# Altium PCB Pulse.PcbDoc (continued)
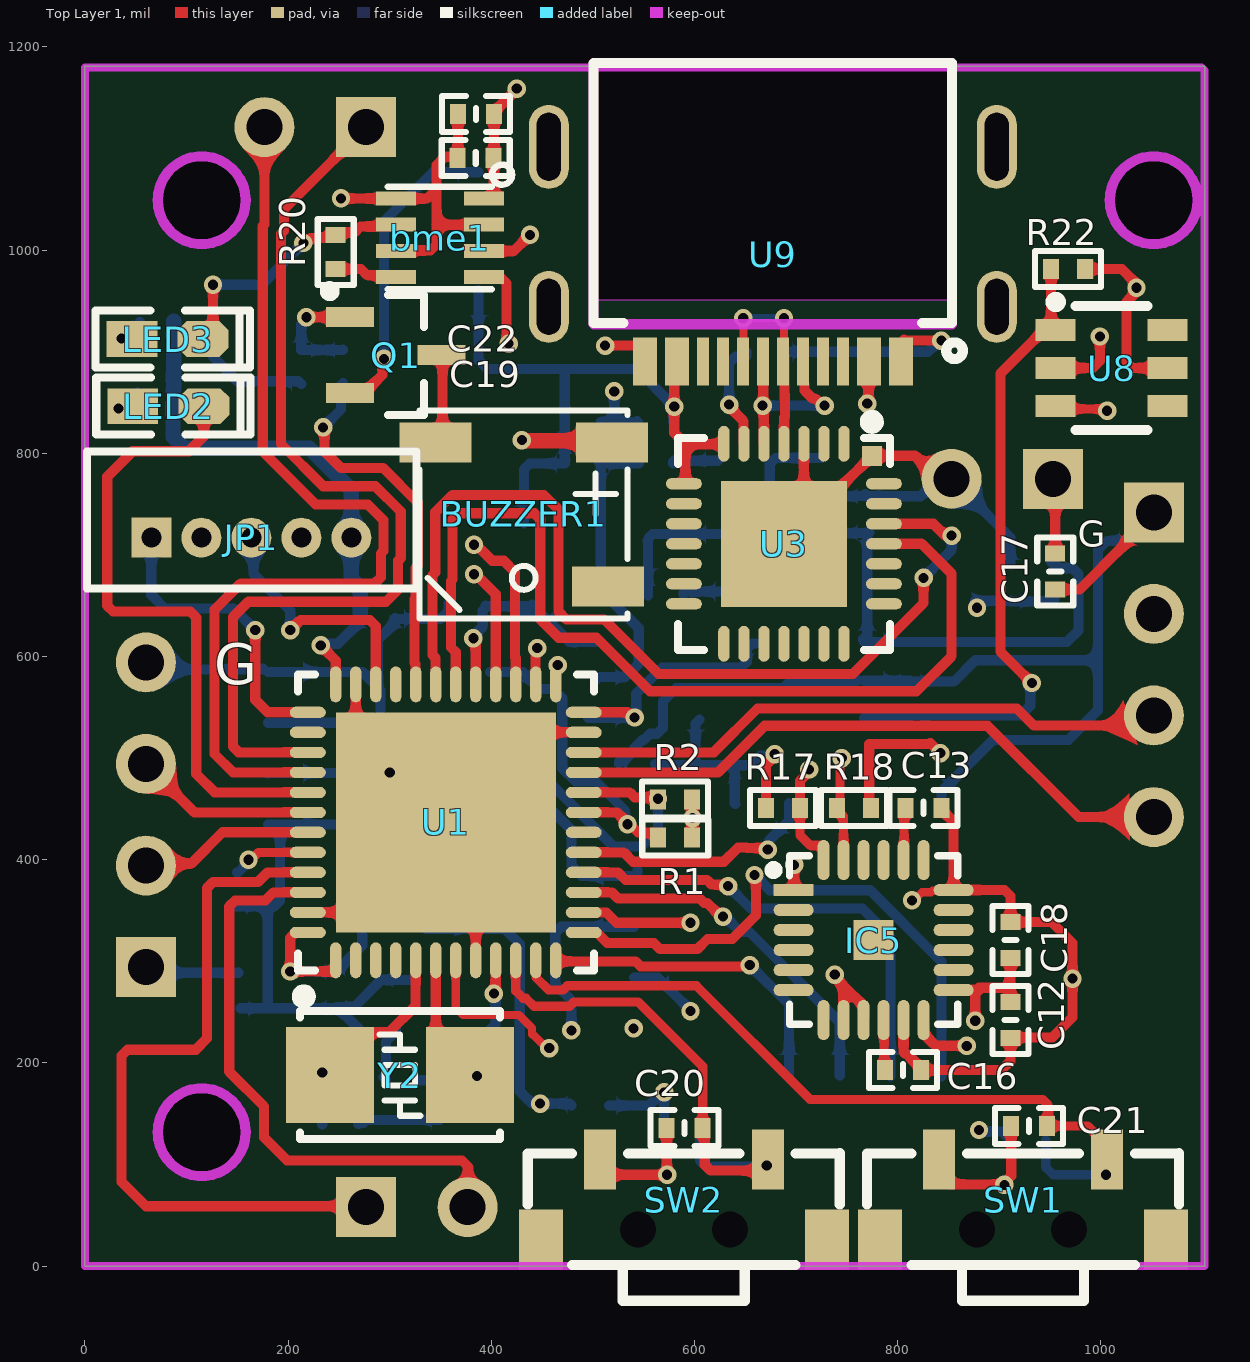
[diagram p0: Top Layer 1 view]
## Footprints (in the part's own frame and the unit in brackets; to place one, negate y for a bottom-side part, rotate by r counter-clockwise, add the part's x,y. Pads: shape width x height; smd on the part's side, far side on the other; paste and mask are expansions set on the pad)
5020BUZZER [mm]
  rect 1x1.8 smd: 1(1.8,-2.25) 2(1.8,2.152) 3(-1.8,-2.151)
  silkscreen extent -2.6,-2.65 2.6,2.55, body extent -2.6,-2.7 2.6,2.5, height 2
AT24C256 [mm]
  oval 0.588x2.045 smd: 1(-1.936,-2.861) 2(-0.666,-2.861) 3(0.604,-2.861) 4(1.874,-2.861) 5(1.874,2.684) 6(0.604,2.684) 7(-0.666,2.684) 8(-1.936,2.684)
  silkscreen extent -2.83,-3.01 2.5,1.43
BAT-2 [mm] "Battery; 2 Leads"
  rect 1.5x1.5 hole 0.9: 1(-1.27,0)
  round 1.5 hole 0.9: 2(1.27,0)
  silkscreen extent -2.54,-1.27 2.54,1.27
bluetooth [mm]
  oval 0.7x1.4 smd: 1(-2.337,3.422) 2(-1.067,3.422) 3(0.203,3.422) 4(1.473,3.422) 5(2.743,3.422) 6(4.013,3.422) 7(4.013,-3.378) 8(2.743,-3.378) 9(1.473,-3.378) 10(0.203,-3.378) 11(-1.067,-3.378) 12(-2.337,-3.378)
  Top Layer 1 pour cut-out: -2.802,2.318 -4.916,2.318 -4.916,-2.677 -2.802,-2.677 -2.802,2.318
  silkscreen extent -4.9,-3.38 4.7,3.42
BME280 [mm]
  rect 1x0.351 smd: 1(2.243,2.301) 2(2.243,1.651) 3(2.243,0.991) 4(2.243,0.341) 5(0.043,0.341) 6(0.043,0.991) 7(0.043,1.651) 8(0.043,2.301)
  silkscreen extent -0.16,0.04 2.95,3.15, body extent -0.15,0.05 2.35,2.55, height 0.93
button [mm]
  rect 1.1x1.5 smd: 0(-3.536,0.504) 0(3.614,0.504)
  round 0 hole 0.9: 0(-1.111,0.254) 0(1.189,0.254)
  rect 0.8x1.5 smd: 1(-2.061,-1.496) 2(2.139,-1.496)
  silkscreen extent -3.86,-1.66 3.94,2.03, body extent -3.86,-1.66 3.94,2.04, height 3.51
"C 0402_L" [mm] "无极性贴片电容         淘宝ID:黄晶宝石"
  rect 0.4x0.5 smd: 1(-0.45,0) 2(0.45,0)
  silkscreen extent -0.85,-0.45 0.85,0.45, body extent -0.5,-0.26 0.5,0.26, height 0.53
CP2102 [mm]
  oval 0.9x0.28 smd: 1(-2.475,1.657) 2(-2.475,1.157) 3(-2.475,0.657) 4(-2.475,0.156) 5(-2.475,-0.344) 6(-2.475,-0.845) 7(-2.475,-1.345) 15(2.525,-1.345) 16(2.525,-0.845) 17(2.525,-0.344) 18(2.525,0.156) 19(2.525,0.657) 20(2.525,1.157) 21(2.525,1.657)
  oval 0.28x0.9 smd: 8(-1.476,-2.344) 9(-0.976,-2.344) 10(-0.475,-2.344) 11(0.025,-2.344) 12(0.525,-2.344) 13(1.026,-2.344) 14(1.526,-2.344) 22(1.526,2.656) 23(1.026,2.656) 24(0.525,2.656) 25(0.025,2.656) 26(-0.475,2.656) 27(-0.976,2.656) 28(-1.476,2.656)
  rect 3.15x3.15 smd: 29(0.025,0.156)
  rect 0.5x0.5 smd: 30(-2.175,2.356)
  silkscreen extent -3.18,-2.49 2.67,2.81
EC190708 [mm]
  rect 0.55x1 smd: 1(-0.923,-1.375) 2(0.027,-1.375) 3(0.977,-1.375) 4(0.977,1.425) 5(0.027,1.425) 6(-0.923,1.425)
  silkscreen extent -1.75,-1.5 1.58,0.93
HDR1X2 [mm] "Connector; Header; 2 Position"
  rect 1.5x1.5 hole 0.9: 1(0,0)
  round 1.5 hole 0.9: 2(2.54,0)
  silkscreen extent -1.27,-1.27 3.81,1.27
HDR1X4 [mm] "Connector; Header; 4 Position"
  rect 1.5x1.5 hole 0.9: 1(0,0)
  round 1.5 hole 0.9: 2(2.54,0) 3(5.08,0) 4(7.62,0)
  silkscreen extent -1.27,-1.27 8.89,1.27
LC-SOD-123 [mm]
  rect 1.25x1 smd: 1(1.475,0) 2(-1.475,0)
  silkscreen extent -0.5,-0.7 0.5,0.7, body extent -1.85,-0.77 1.85,0.78, height 1.35
"LED 0603R" [mil] "红色0603LED                                           淘宝ID:黄晶宝石"
  rect 50x35 smd: 1(-35,0.26)
  oct 50x35 smd: 2(35,0.26)
  silkscreen extent -71,-28 81,28, body extent -31,-16 31,16, height 18
"MX 1.25-LI-5P" [mm] "长：8mm，宽：3.2mm，高：4.2mm               淘宝ID:黄晶宝石"
  rect 1x1 hole 0.5: 1(-2.51,0)
  round 1 hole 0.5: 2(-1.26,0) 3(-0.01,0) 4(1.24,0) 5(2.49,0)
  silkscreen extent -4.11,-1.27 4.11,2.16, body extent -4,-1.15 4,2.05, height 4.25
"OSC 5032-2P" [mm] "5mm*3.2mm*0.8mm(长*宽*高)                  淘宝ID:黄晶宝石"
  rect 2.2x2.4 smd: 1(-1.75,0) 2(1.75,0)
  silkscreen extent -2.5,-1.6 2.5,1.6, body extent -2.5,-1.6 2.5,1.6, height 0.86
"QFN24 4x4_M" [mm] "24脚，长x宽x高：4x4x1mm，脚距：0.5mm"
  rect 0.3x1 smd: 1(-1.25,-2)
  oval 0.3x1 smd: 2(-0.75,-2) 3(-0.25,-2) 4(0.25,-2) 5(0.75,-2) 6(1.25,-2) 13(1.25,2) 14(0.75,2) 15(0.25,2) 16(-0.25,2) 17(-0.75,2) 18(-1.25,2)
  oval 1x0.3 smd: 7(2,-1.25) 8(2,-0.75) 9(2,-0.25) 10(2,0.25) 11(2,0.75) 12(2,1.25) 19(-2,1.25) 20(-2,0.75) 21(-2,0.25) 22(-2,-0.25) 23(-2,-0.75) 24(-2,-1.25)
  rect 1x1 smd: 25(0,0)
  silkscreen extent -2.11,-2.6 2.11,2.11, body extent -2.01,-2.01 2.01,2.01, height 0.95
"R 0402_L" [mm] "1/16W贴片电阻     淘宝ID:黄晶宝石"
  rect 0.4x0.5 smd: 1(-0.4,0) 2(0.45,0)
  silkscreen extent -0.8,-0.45 0.85,0.45, body extent -0.5,-0.25 0.5,0.25, height 0.3
"R 1206_L" [mil] "1/4W贴片电阻"
  rect 55x62 smd: 1(-55.12,0) 2(57.09,0)
  silkscreen extent -96,-44 98,44, body extent -63,-31 63,31, height 22
RT9013-33GB [mm]
  rect 1x0.6 smd: 1(1.322,-0.95) 2(1.322,0) 3(1.322,0.95) 4(-1.278,0.95) 5(-1.278,-0.95)
  silkscreen extent -0.88,-1.78 1.67,1.55
SOP8_N [mm] "5*6*1.8mm（长宽高）"
  rect 1.8x0.55 smd: 1(-2.625,1.905)
  oval 1.8x0.55 smd: 2(-2.625,0.635) 3(-2.625,-0.635) 4(-2.625,-1.905) 5(2.625,-1.905) 6(2.625,-0.635) 7(2.625,0.635) 8(2.625,1.905)
  silkscreen extent -2.69,-2.5 1.52,3.2, body extent -3,-2.5 3,2.5, height 1.9
SOT23-3N [mm]
  rect 0.5x1.2 smd: 1(-0.95,-1.143) 2(0.95,-1.143) 3(0,1.143)
  silkscreen extent -1.72,-1.78 1.5,0.7, body extent -1.5,-1.2 1.5,1.2, height 1.05
SOT23-5 [mm]
  rect 0.5x1 smd: 1(0,0) 2(-0.95,0) 3(-1.9,0) 4(-1.9,-2.4) 5(0,-2.4)
  silkscreen extent -2.45,-2 0.55,-0.4, body extent -2.4,-2.6 0.5,0.2, height 1.09
STMF103CBU6 [mm]
  oval 0.28x0.9 smd: 1(-2.786,-3.362) 2(-2.285,-3.362) 3(-1.785,-3.362) 4(-1.284,-3.362) 5(-0.784,-3.362) 6(-0.284,-3.362) 7(0.214,-3.362) 8(0.715,-3.362) 9(1.215,-3.362) 10(1.715,-3.362) 11(2.216,-3.362) 12(2.716,-3.362) 25(2.716,3.537) 26(2.216,3.537) 27(1.715,3.537) 28(1.215,3.537) 29(0.715,3.537) 30(0.214,3.537) 31(-0.284,3.537) 32(-0.784,3.537) 33(-1.284,3.537) 34(-1.785,3.537) 35(-2.285,3.537) 36(-2.786,3.537)
  oval 0.9x0.28 smd: 13(3.415,-2.663) 14(3.415,-2.163) 15(3.415,-1.662) 16(3.415,-1.162) 17(3.415,-0.662) 18(3.415,-0.161) 19(3.415,0.337) 20(3.415,0.837) 21(3.415,1.337) 22(3.415,1.838) 23(3.415,2.338) 24(3.415,2.838) 37(-3.484,2.838) 38(-3.484,2.338) 39(-3.484,1.838) 40(-3.484,1.337) 41(-3.484,0.837) 42(-3.484,0.337) 43(-3.484,-0.161) 44(-3.484,-0.662) 45(-3.484,-1.162) 46(-3.484,-1.662) 47(-3.484,-2.163) 48(-3.484,-2.663)
  rect 5.5x5.5 smd: 49(-0.035,0.088)
  silkscreen extent -3.73,-4.41 3.67,3.79
"TEST 0.8" [mm] "测试点0.8mm"
  round 0.8 smd: 1(0,0)
"TEST 1" [mm] "测试点1mm"
  round 1 smd paste-1: 1(0,0)
"TYPE-C CB1.6" [mm]
  oval 1x1.8 hole 0.6 slot 1.4 at 90 deg: 17(5.6,1.316) 20(-5.6,1.316)
  oval 1x2.1 hole 0.6 slot 1.7 at 90 deg: 18(5.6,-2.683) 19(-5.6,-2.684)
  rect 0.3x1.2 smd: A1(-3.35,2.684) A4(-2.55,2.684) A5(-1.25,2.684) A6(-0.25,2.684) A7(0.25,2.684) A8(1.25,2.684) A9(2.55,2.684) A12(3.35,2.684) B1(3.05,2.684) B4(2.25,2.684) B5(1.75,2.684) B6(0.75,2.684) B7(-0.75,2.684) B8(-1.75,2.684) B9(-2.25,2.684) B12(-3.05,2.684)
  Keep-Out Layer lines w0.254: 4.48,-4.76 4.48,1.75 -4.48,1.75 -4.48,-4.76
  silkscreen extent -4.75,-4.78 4.48,2.62, body extent -5.76,-4.9 5.72,3.68, height 1.59

## Part data
ADC TP1: "测试点", BOM名称=测试点, 学习资源=https://shop463601444.taobao.com, 版权归属="封装库来自淘宝 ID：黄晶宝石"
bme1: "气压，湿度，温度传感器"
BT1: "Multicell Battery", LatestRevisionDate=17-Jul-2002, LatestRevisionNote="Re-released for DXP Platform.", PackageDescription="Battery; 2 Leads", PackageReference=BAT-2, Published=24-Mar-1999, Publisher="Altium Limited"
BUZZER1: "贴片蜂鸣器5020最小封装"
C1 C2 C3 C4 C5 C6 C8 C9 C11 C12 C13 C14 C15 C16 C17 C18 C19 C20 C21 C22: library part C
D1: library part "D Zener", "Zener Diode", LatestRevisionDate=17-Jul-2002, LatestRevisionNote="Re-released for DXP Platform.", PackageDescription="Diode, Thru-Hole; 2 Leads; 0.7 in Pin Spacing", PackageReference=DIODE-0.7, Published=8-Jun-2000, Publisher="Altium Limited"
IC1: "Header, 4-Pin", LatestRevisionDate=17-Jul-2002, LatestRevisionNote="Re-released for DXP Platform.", Publisher="Altium Limited"
IC2 IC3: "Header, 2-Pin", LatestRevisionDate=17-Jul-2002, LatestRevisionNote="Re-released for DXP Platform.", Publisher="Altium Limited"
IC5: "陀螺仪"
JP1: library part "Header 5", "5P接插件", BOM名称=5P接插件, 学习资源="封装库来自淘宝 ID：黄晶宝石", 联系售后=https://shop463601444.taobao.com
JP2: library part "Header 4", "4P接插件", BOM名称=4P接插件, 学习资源=https://shop463601444.taobao.com, 版权归属="封装库来自淘宝 ID：黄晶宝石"
LED2 LED3 LED4: library part LED-SMD, "贴片LED", BOM名称=贴片LED, 学习资源=https://shop463601444.taobao.com, 版权归属="封装库来自淘宝 ID：黄晶宝石"
Q1: library part 8050-SMD, "高频放大-NPN型", BOM名称=高频放大-NPN型, 学习资源=www.ooocke.com, 属性="40V 1.5A 1W 100MHZ", 版权归属=源创客
R1 R2 R4 R5 R6 R7 R8 R9 R10 R11 R12 R13 R15 R17 R18 R19 R20 R21 R22: library part R, "贴片电阻", BOM名称=贴片电阻, 版权归属="来自淘宝 ID：黄晶宝石", 联系售后=https://shop463601444.taobao.com
R3 R14 R16: library part R
SW1 SW2: library part "TSW 3x6", "3x6轻触开关", BOM名称=3x6轻触开关, 免费技术支持，联系售后=唯一出售店铺网址https://shop463601444.taobao.com, 封装库来自淘宝卖家 ID：黄晶宝石=其他店铺购入均为盗版假冒封装库，请立即申请退款，本店3~10元现金奖励
U1: "ARM Cortex-M3 32-bit MCU, 128 KB Flash, 20 KB Internal RAM, 37 I/Os, 48-pin UFQFPN, -40 to 85 degC, Tray", I/Os (High Current)=37, Operating Frequency(F) (Processor speed) (MHz)=72, Supplier Part Number 1=STM32F103CBU6-ND, Supply Voltage(Vcc) min (V)=2, A/D Converter="2x12-bit (10 Channel)", ComponentLink1Description="Manufacturer URL", ComponentLink1URL=http://www.st.com/web/en/home.html, ComponentLink2Description=Datasheet, ComponentLink2URL=http://www.st.com/st-web-ui/static/active/en/resource/technical/document/datasheet/CD00161566.pdf, ComponentLink3Description="Package Specification", ComponentLink3URL=http://www.st.com/st-web-ui/static/active/en/resource/technical/document/data_brief/DM00071938.pdf, Core="ARM Cortex-M3", DatasheetVersion="Rev. 16", FLASH Size (Prog) (kB)=128, Internal RAM Size (kB)=20, Mounting Technology="Surface Mount", PackageDescription="48-Pin Ultra Thin Fine Pitch Quad Flat No-Lead, 7 x 7 x 0.6 mm Body, 0.5 mm Pitch, Exposed Pad", PackageReference=UFQFPN48, PackageVersion="Rev. 1, 04/2013", Packing=Tray, PartNumber=STM32F103CBU6, Supplier 1=Digi-Key, Supplier 2=Farnell, Supplier 3=Newark, Supplier 4=Newark, Supplier 5=Mouser, Supplier Part Number 2=2060891, Supplier Part Number 3=65T3772, Supplier Part Number 4=73T2300, Supplier Part Number 5=511-STM32F103CBU6
U2: "BlueTooth"
U3: library part CP2102-GMR-YJLTY
U4 U6: library part RT9013-33GB
U7: library part AT24C256C-SSHL-T
U8: library part EC190708
U9: library part USB-TYPE_C16P沉
Y2: library part CRYSTAL

## Via types
v1: diameter 18.11, hole 10, Top Layer 1 to Bottom Layer 1, 74 vias

## Nets (pads, with @x,y where several pads share a name; then routed paths per layer and width w, separated by ;. In a path a pad name is that pad's centre, name@x,y a point inside that pad or via, vN(x,y) a via of type N, cw(c..) or ccw(c..) an arc to the next point about the centre after c; other vN are vias at no path point)
3.3V: BUZZER1.1 C5.1 C6.1 JP1.5 JP2.2 R1.2 R2.2 R4.2 R5.2 R6.1 R7.1 U1.1 U1.9 U1.24 U1.36 U1.48 U4.1 U6.5 U7.8 | length 4114.4
  Top Layer 1 w10: v1(202,290) 246.36,290 247,289.36 U1.1@247,289 ; v1@202,291 202,323.1 207.4,328.5 U1.48 ; v1(232,611) 246.83,596.17 U1.36 ; v1(402.47,268.3) 402.47,270.49 404.13,272.15 U1.9@404.13,293.8 ; U1.24 533.71,545.1 538.81,540 v1(541,540) ; R1.2@597,424 597.56,424.56 597.56,459.15 R2.2
  Top Layer 1 w15: v1(430,813) 430.6,812.41 511.6,812.41 BUZZER1.1@512,812
  PWR w15: v1@231,611 231,321 202,292 v1(202,290) 203,290 205,292 205,241.72 216.72,230 373,230 402.47,259.47 v1(402.47,268.3) ; v1(232,611) 241,611 262.72,632.72 262.72,714.28 JP1.5@261.07,715.93 ; JP1.5 301.14,756 421.21,756 430,764.79 v1(430,813) ; 402,259 402,216 427,191 571,191 ; v1(541,540) 566.6,540 571.6,535 595,535 ; 566,191 566,408 v1@598.5,440.5 ; 569,191 569,174.2 569.41,173.79 569.41,171.59 v1(570,171) 868,171 882,157 v1@882,136 ; v1(598,441) 598,536 598,553 625,580 886,580 949,643 1042,643 JP2.2@1046,639
  Bottom Layer 1 w10: v1(202,290) 203,290 203.14,289.86 C5.1@246.86,289.86 ; v1(232,611) 230,611 231.55,612.55 248.8,612.55 269,632.75 C6.1@269,636 ; C5.1 273,315.72 273,428.92 278.86,434.78 387.22,434.78 392,430 396.78,434.78 U7.8 ; R5.2 349,183 404,238 404,266.77 v1(402.47,268.3) ; U4.1@495.32,539.8 540.8,539.8 542.55,541.55 542.55,563.55 568,589 645.6,589 651.46,594.86 651.46,607.59 656.86,613 U6.5@663,613 ; R4.2 554.81,158 567.81,171 v1@569,171 ; 570,133 v1(570,171) ; v1(880,134) 881.55,132.45 902.55,132.45 906.15,128.85 909.3,128.85 911,127.15 911,124
  Bottom Layer 1 w15: R6.1 86.68,816.32 98,805 221,805 262.14,763.86 262.14,717.14 JP1.5@260,715 ; R6.1@87,859 87,863.29 87.37,863.65 R7.1 ; JP1.5 262,716.86 262,677 270.91,668.09 270.91,637.09 C6.1@271,637
32k_IN: U1.3
32k_OUT: U1.4
ADC: ADC.1 R12.1 R13.2 U1.14 | length 885.3
  Top Layer 1 w10: U1.14 491.12,348 513.08,348 523.09,338 594,338 v1@596,340
  GND w10: v1(596,338) 596,323.46 625.88,293.58 670.46,249 826,249 878,301 v1(878,648)
  Bottom Layer 1 w10: ADC.1@876,655 910.22,655 R13.2 937.71,654.29 938,654 952,654 R12.1@954,656
BAT_4.2: BT1.1 C15.1 C17.1 IC4.6 R12.2 R14.1 R16.1 R22.1 U5.3 U6.1 U8.5 | length 2250.2
  Top Layer 1 w10: BT1.1 955,773 C17.1@955,702 ; R22.1 1020.61,981.39 1034.86,967.14 v1@1034.86,958.86 ; v1@1034.86,959.25 1033.45,959.25 1030.95,956.75 1030.95,954.95 1025,949 1025,889.79 1030.86,883.94 U8.5
  PWR w20: v1(478.8,232) 494.77,247.96 494.77,712.77 539,757 763,757 793,787 793,829 822,858 953,858 ; BT1.1 953,858 ; v1(1035,963) 1034,962 1034,906 1001,873 966,873 953,860 953,858
  Bottom Layer 1 w10: v1(478.8,232) 478.8,261.56 462.95,277.42 462.95,328.14 468.8,334 IC4.6 ; U5.3 725.77,721.44 C15.1@769.93,721.44 ; U6.1@766,617 769.93,620.93 C15.1@769.93,721.44 ; U6.1 966.59,614.41 978,625.82 978,681.07 972.14,686.93 959.66,686.93 R12.2@955,691.59 ; C15.1 C15.1@769.93,721.44 ; C15.1@772,722 771.44,721.44 C15.1@769.93,721.44 ; R12.2@951,693 R12.2@955,689 ; BT1.1@954,773 955,772 R12.2@955,693
BOOT0: R3.1 U1.44 | length 73.4
  Top Layer 1 w9: v1(161,400) 163.47,400 170.77,407.3 212.53,407.3 U1.44@212.91,406.91
  Bottom Layer 1 w9: R3.1 151.18,387.73 161,397.55 v1(161,400)
Buzz_signal: R19.2 U1.32 | length 369.6
  Top Layer 1 w10: v1(234.38,825.59) 235.93,824.04 235.93,801.61 251.86,785.69 293.31,785.69 327.83,751.17 327.83,689.79 325.22,687.18 325.22,657.49 324.22,656.49 324.22,593.97 325.43,592.76 325.43,572.79 U1.32
  Bottom Layer 1 w10: v1(234.38,825.59) 252.01,843.22 252.01,867.01 R19.2@254,869
CT_3.3V: bme1.2 bme1.6 bme1.8 C3.1 C4.1 C12.1 C18.1 C19.1 C22.1 IC1.1 IC5.8 IC5.9 IC5.13 R17.2 R18.2 U2.6 U4.5 | length 3925.1
  Top Layer 1 w10: v1(252,1051) 252.15,1050.85 303.85,1050.85 bme1.8@304,1051 ; bme1.6 306.51,999.69 340.14,999.69 346,1005.54 346,1025 ; bme1.8 336.7,1050.7 345,1059 ; C19.1@362,1092 354.22,1092 346,1083.78 346,1025 ; C19.1@367.06,1094.06 367.06,1133.85 C22.1 ; bme1.2 392.45,1025 346,1025 ; R17.2 670.22,493.02 679,501.81 v1(679,504) ; v1(738,287) 738,284.85 746.65,276.2 ; IC5.8 746.65,276.2 ; IC5.9@767,246 767,255.85 746.65,276.2 ; R18.2@772,449 772,514 831.15,514 832,514.85 ; 832.09,514.85 841.94,505 v1(842,505) ; IC5.13@865,272 865.12,272.12 878.12,272.12 880,274 ; v1(876.21,241.59) 876.21,268.14 ; 877,271 876.21,270.21 876.21,268.14 ; C18.1@910,303 910.93,302.07 910.93,279.56 ; C12.1 910.93,279.56 ; 876.21,268.14 882.06,274 905.37,274 910.93,279.56
  PWR w10: v1@252,1047 v1(252,1051) ; v1(679,504) 701,526 821,526 841,506 v1@842,506 ; 870,268 870,262.62 874.65,257.96 874.65,243.14 v1(876.21,241.59)
  PWR w20: IC1.1 119.58,294.28 ; v1@252,1047 252,898 267,883 267,796.72 255.28,785 33.58,785 21.87,773.28 21.87,665.13 34,653 102,653 119.58,635.42 119.58,294.28 ; v1(842,505) 842,435 738,331 v1(738,287) 738,285 753.86,269.14 927.14,269.14 946,250.28 946,119 934.05,107.05 891.32,107.05 891.21,106.95 814.06,106.95 792,129 256.82,129 153.89,231.93 153.89,242.11 119.58,276.42 119.58,294.28
  Bottom Layer 1 w10: IC1.1@60,294 65.28,288.72 C4.1 ; C3.1 562.2,493 595.14,493 ; U4.5@605,538 601,534 601,498.86 595.14,493 ; U2.6@640,455 639.57,455.43 639.57,487.14 633.71,493 ; v1@679,505 676.45,502.45 664.45,502.45 655,493 633.71,493 ; 595.14,493 633.71,493
D+: U3.4 U9.A6 U9.B6 | length 210.4
  Top Layer 1 w8: v1(648,933) 648.25,932.75 U9.B6@648.25,891.25 ; U9.A6@687.93,898.07 687.93,932.93 v1(688,933)
  Top Layer 1 w10: U9.A6@687.87,896.64 688.65,895.86 688.65,852.41 ; U3.4 688.12,809.62 688.12,835.04 689,835.91 689,858
  Bottom Layer 1 w8: v1(648,933) v1(688,933)
D-: U3.5 U9.A7 U9.B7 | length 180.6
  Top Layer 1 w10: v1(666.95,847) v1@667,847 ; U9.A7@668.18,896.64 667.59,896.05 667.59,847.59 v1@667,847 ; U3.5 668.03,809.62 668.03,845.97 v1@667,847 ; U9.B7@708.33,868.27 708.33,861.73 715.95,854.11 718.69,854.11 725.81,847 v1(728,847)
  Bottom Layer 1 w10: v1(666.95,847) v1@727,847
DS3231_INT: IC4.3 R4.1 U1.28 | length 1095.1
  Top Layer 1 w10: v1(382.88,681) 384.69,681 404.33,661.36 U1.28
  GND w10: v1(382.88,681) 384.43,679.45 397.55,679.45 413.01,663.99 413.01,552.95 349,488.94 349,422 508,263 508,194.13 473.87,160 v1(448,160)
  Bottom Layer 1 w10: IC4.3 335.65,332 413,332 428,317 428,172 440,160 v1(448,160) 477,160 R4.1@479,158
GND: bme1.1 bme1.7 BT1.2 C1.2 C2.2 C3.2 C4.2 C5.2 C6.2 C8.2 C9.1 C11.1 C12.2 C13.2 C14.1 C15.2 C16.2 C17.2 C18.2 C19.2 C20.2 C21.2 C22.2 D1.1 IC1.4 IC4.2 IC4.5 IC5.1 IC5.11 IC5.18 JP1.2 JP2.1 LED3.2 Q1.2 R3.2 R8.1 R11.1 R13.1 R15.1 R20.1 R21.1 SW1.2 SW2.2 U1.8 U1.23 U1.35 U1.47 U1.49 U2.2 U3.3 U3.29 U3.30 U4.2 U5.2 U6.2 U7.1 U7.2 U7.3 U7.4 U7.7 U8.2 U9.A1 U9.A12 U9.B1 U9.B12 | length 6186.6
  Top Layer 1 w8: v1@815.07,361.93 817.63,361.93 823.74,368.04 832.81,368.04 834.24,369.47 854.19,369.47 IC5.18
  Top Layer 1 w10: LED3.2@113,912 126,925 v1(126,966) ; U1.47 267.8,348.2 U1.49@269,347 ; v1@222.17,1011.98 241.98,1011.98 R20.1@247,1017 ; R20.1 249.7,1017.73 265.77,1017.73 271.24,1023.2 302.2,1023.2 bme1.7@305,1026 ; U1.49@264,518 266.53,520.53 U1.35 ; Q1.2@270,858 273.47,858 292.83,877.35 292.83,889.25 294.57,891 295,891 294.38,891.62 v1(294.38,893) ; U1.8 384.63,367.63 U1.49@385,368 ; bme1.1 400.44,1050.7 402.34,1052.6 402.34,1088.66 C19.2@401,1090 ; C19.2@399,1090 402.64,1093.64 C22.2 ; C22.2@403,1137 403.68,1137 425,1158.32 v1(425,1159.01) ; U1.49@430,523 432.4,525.4 U1.23 ; SW2.2 506.72,100.75 517.46,90 v1(573,90) 572.64,90.36 572.64,135.36 C20.2@572,136 ; v1(512,906) 550,906 U9.A12@551,907 ; U3.29 707.63,730.7 U3.3 ; v1(698,395) 697.75,394.73 698,394.47 698,371.1 698.1,371 IC5.1@699,371 ; U3.29@707.66,730.74 744.94,768.01 745.01,768.01 769.7,792.7 769.7,792.77 772.93,796 U3.30@773,796 ; U3.30 817.11,797.61 840.73,774 BT1.2@855,774 ; IC5.11 805.71,210.68 806.82,209.56 808.12,209.56 819.84,197.84 819.84,195.87 C16.2 ; U9.A1@806,912 807,911 v1(843,911) ; C16.2@822.71,194.29 824,193 902.14,193 910.8,201.66 910.8,222.2 C12.2@910,223 ; SW1.2 840.72,91.12 851.46,80.37 904.63,80.37 v1(905,80) ; C13.2 843.11,449.08 855,437.19 IC5.18@855,373 ; IC5.18 905.14,370.2 911,364.34 C18.2@911,338.7 ; v1@905,81 905,82.19 911.64,88.84 911.64,137.36 C21.2@911,138 ; C18.2 C18.2@911,338.7 ; C12.2@912,225 952.14,225 972,244.86 v1(972,283) 972,318 951.3,338.7 C18.2@911,338.7 ; C17.2 979,666 1023.46,710.46 1023.46,713.87 1046.59,737 JP2.1@1050,737 ; U8.2 991.94,883.94 998.95,890.95 998.95,915.05 v1@998,916
  GND w8: v1@696,395 697.93,393.07 717.93,393.07 752,359 813,359 v1(814,360)
  Bottom Layer 1 w10: IC1.4 67.04,587.3 174.3,587.3 U7.4@175,588 ; v1@124,967 126,965 126,895 150,871 210.17,871 R21.1 ; v1(126,966) 174,966 v1(215,1007) v1@215,1008 ; R3.2 179.95,354.27 ; C4.2@153.21,253.79 246.5,253.79 C5.2 247.83,255.11 265.11,255.11 291.77,281.77 322.77,281.77 IC4.2@323,282 ; 180,257 179.95,257.05 179.95,354.27 ; U7.1 248.78,434.78 v1@299.39,485.39 ; U7.2 180.89,485.39 v1@299.39,485.39 ; U7.3 288.22,534.78 291,532 ; U7.4 272.78,584.78 272.86,584.86 288.36,569.36 ; U7.1@193.42,430 192.13,428.7 192.13,360.13 186.27,354.27 179.95,354.27 ; C5.2@248,254 249.26,254 269,234.26 C11.1 ; C11.1@274,141 277,144 C9.1@349,144 ; v1@295,890 294.38,890.62 v1(294.38,893) 294.38,1028.38 342.61,1076.61 D1.1 ; v1@298,488 298.25,488 300,489.75 300,523 291,532 ; v1(300,486) v1@300,487 ; C6.2@305,638 305,633.32 288.36,616.68 288.36,569.36 ; C6.2 349.81,637 358,645.2 R11.1@358,652 ; U7.7@388.39,485.39 v1@299.39,485.39 ; U7.7 423.71,484.78 433.84,474.65 433.84,474.16 479,429 479,394 489,384 IC4.5 544,387.65 IC4.5@544,390 ; U4.2 505.82,579.82 531.83,579.82 545,593 545,628 507.64,665.36 507.64,789.36 C2.2@506,791 ; C2.2 R8.1 ; C2.2@507.64,794.85 C1.2 521,831.01 ; v1(521,860.95) 521,831.01 ; C3.2 525.5,496.24 528.37,499.12 531.12,499.12 540.05,508.05 540.05,509.5 548.5,517.95 550.14,517.95 556.19,524 563,524 569,530 569,556 582,569 687,569 694,576 760,576 U6.2@761,577 ; C14.1@538.01,831.01 521,831.01 ; C14.1 543.21,831.79 544.2,830.8 544.2,794.8 R8.1@545,794 ; C8.2 829.81,900 840.81,911 v1@841,911 ; U5.2 725.07,757.86 765.86,757.86 C15.2@768,760 ; U6.2@766.98,576.25 812.05,576.25 R15.1 855.49,575.49 876.41,596.41 997,596.41 ; C15.2 822.44,757.71 840.72,776 BT1.2@856,776 ; U2.2 842.93,466.93 894,518 968,518 997,547 997,596.41 ; BT1.2 911,717 R13.1@911,690 ; JP2.1@1045,746 1045,735.41 1023.46,713.87 1005.87,713.87 997,705 997,596.41 ; 288.36,569.36 291,566.72 291,532
  other v1: 999,915
JTCK/SWCLK: JP1.1 U1.37 | length 298.4
  Top Layer 1 w10: v1(167.61,626) 167.61,557.39 179.9,545.1 U1.37
  Bottom Layer 1 w10: JP1.1 65.29,660.69 78.71,647.27 146.33,647.27 v1(167.61,626)
JTMS/SWDIO: JP1.3 U1.34 | length 255.2
  Top Layer 1 w10: v1(202,626) 212,636 280.37,636 286.23,630.14 U1.34
  Bottom Layer 1 w10: JP1.3 165.88,714.84 165.88,681.4 202,645.28 v1(202,626)
MPU6050_INT: IC5.12 U1.25 | length 759.3
  Top Layer 1 w10: U1.25@463.62,571.69 463.62,587.67 465.35,589.39 v1(465.35,591.58) ; IC5.12 825.39,228.96 837.35,217 v1@867.93,217
  GND w10: v1(465.35,591.58) 463.15,591.58 456.61,585.04 451.21,585.04 441,574.83 441,453 677.17,216.83 v1(867.93,216.83)
Netbme1_5: bme1.5 R20.2 | length 61.2
  Top Layer 1 w10: R20.2 271.67,981.39 277.65,975.4 303.6,975.4 bme1.5@305,974
NetBUZZER1_2: BUZZER1.2 Q1.3 | length 88.9
  Top Layer 1 w10: BUZZER1.2 352,817.69 Q1.3@352,897
NetC8_1: C8.1 U3.6 | length 109.6
  Top Layer 1 w10: v1(634,848) 634,845.81 648.33,831.47 648.33,809.62 U3.6
  Bottom Layer 1 w10: v1(634,848) 634,889 640.16,895.16 650.41,895.16 651,895.75 C8.1@651,900
NetC9_2: C9.2 U1.6 Y2.1 | length 132.5
  Top Layer 1 w10: U1.6 345.33,212.67 Y2.1@348,210
  Bottom Layer 1 w10: C9.2@385,147 385.36,147.36 385.36,186.36 v1(386,187)
NetC11_2: C11.2 U1.5 Y2.2 | length 210.3
  Top Layer 1 w10: Y2.2 241.1,191.94 279.41,230.24 299.24,230.24 325.43,256.43 U1.5@325.43,300.72
  Bottom Layer 1 w10: C11.2@233.59,139.41 v1(233.6,190.48)
NetC13_1: C13.1 IC5.20 | length 52.8
  Top Layer 1 w9: IC5.20 806.25,400.26 806.25,451.25 C13.1@807,452
NetC16_1: C16.1 IC5.10 | length 47.7
  Top Layer 1 w9: C16.1@786,195 786.56,195.56 786.56,241.71 IC5.10
NetIC4_1: IC4.1 R5.1 | length 57.1
  Bottom Layer 1 w10: R5.1 296.25,183.75 294,186 294.4,186 296.25,187.85 296.25,221.2 306,230.95 IC4.1@306,234
NetLED2_1: LED2.1 R6.2 | length 26.9
  Bottom Layer 1 w10: v1(33,844) 34.55,845.55 39.74,845.55 52,857.81 R6.2@52,860
NetLED3_1: LED3.1 R7.2 | length 25.1
  Bottom Layer 1 w10: v1(36,913) 37.55,914.55 40.42,914.55 54,928.13 R7.2@54,929
NetLED4_1: LED4.1 R9.2 | length 60.4
  Bottom Layer 1 w10: R9.2@589,661 589,662.48 590.52,664 639.19,664 LED4.1
NetLED4_2: LED4.2 U5.1 | length 187.2
  Bottom Layer 1 w10: LED4.2@706,669 706,671.17 678,699.17 678,723 674,727 674,789.54 679.86,795.4 U5.1
NetQ1_1: Q1.1 R19.1 R21.2 | length 119.1
  Top Layer 1 w10: v1(218,934) Q1.1
  Bottom Layer 1 w10: R21.2 212.93,926.73 217,930.81 v1@217,935 ; R21.2 253.73,901.73 R19.1@254,902
NetR8_2: R8.2 U5.5 | length 48
  Bottom Layer 1 w10: R8.2 578.64,791.64 579.7,792.7 622.7,792.7 U5.5@624,794
NRST: JP1.4 U1.7 | length 918.3
  Top Layer 1 w8: U1.7 364.93,254.32 372,247.24 427.18,247.24 440.12,234.3 440.12,227.9 441.12,227.9 454.46,214.55 v1(457.06,214.55)
  GND w10: JP1.4@211,723 211,677.86 216.86,672 247,672 271,648 271,591 233,553 233,269 287.95,214.05 456.56,214.05 v1(457.06,214.55)
PA0: C20.1 R14.2 SW2.1 U1.10 | length 491
  Top Layer 1 w9: U1.10 424.03,270.97 431.26,263.74 434.01,263.74 441.98,255.78 477.1,255.78 481.33,260 544.48,260 576.5,227.98 608,196.48 C20.1@608,141
  Top Layer 1 w10: C20.1 610,133.72 610,99.86 615.86,94 661.32,94 665,97.68 SW2.1@665,98
  Bottom Layer 1 w10: R14.2 605.36,103.86 611.21,98 v1@670,98
  other v1: 671,99
PA1: C21.1 R16.2 SW1.1 U1.11 U8.3 | length 1556.1
  Top Layer 1 w9: U1.11 444.12,300.61 444.12,284.04 456.38,271.78 470.48,271.78 474.7,276 601.77,276 713.77,164 942.73,164 948,158.73 948,143 C21.1@945,140 ; C21.1 986.75,138 998,126.75 SW1.1@998,114 ; U8.3@960,847 963.26,843.74 1004.26,843.74 v1(1006,842)
  GND w9: v1(1005,90) 1003.26,91.74 1003.26,98.18 1002,99.44 1002,835.53 1006,839.53 v1(1006,842)
  Bottom Layer 1 w9: R16.2 945.64,97.36 953,90 v1@1004,90
PA5: U1.15 U2.9 | length 357.1
  Top Layer 1 w10: U1.15 518.64,367.9 524.54,362 604.91,362 609.36,357.55 612.25,357.55 625.81,344 v1(628,344)
  Bottom Layer 1 w10: v1(628,344) 630.19,344 645.24,328.95 654.05,328.95 742.93,240.07 U2.9@742.93,187.93
PA6: U1.16 U2.10 | length 465.5
  Top Layer 1 w10: U1.16 524.4,387.6 532,380 612.37,380 616.81,375.55 631.45,375.55 v1(633,374)
  Bottom Layer 1 w10: v1(633,374) 655,352 765,352 792.93,324.07 U2.10@792.93,186.93
PA7: U1.17 U2.5 | length 246.2
  Top Layer 1 w10: U1.17 530.16,407.3 539.46,398 628.85,398 642.85,412 651.14,412 651.59,411.55 670.45,411.55 v1(672,410)
  Bottom Layer 1 w10: v1(672,410) 673.55,411.55 673.55,419.06 693,438.5 U2.5@693,456
PA8: R11.2 TP1.1 U1.29 U4.3 | length 214
  Top Layer 1 w10: v1(382.27,618.02) 382.27,615.82 384.63,613.47 U1.29
  Bottom Layer 1 w10: v1(382.27,618.02) 382.27,620.21 391.43,629.37 391.43,645.16 395,648.73 R11.2@395,649 ; R11.2 394.8,649.5 438.5,649.5 TP1.1@440,651 ; TP1.1@430.53,642 TP1.1@440,642 ; TP1.1 476.59,614.41 U4.3
PA12: U1.33
PB0: U1.18
PB3: IC3.1 U1.39 | length 947
  Top Layer 1 w10: U1.39 151.41,505.7 145.55,511.56 145.55,638.68 160.87,654 296.28,654 308.22,665.94 308.22,694.23 310.83,696.83 310.83,742.72 285.86,767.69 234.54,767.69 192.95,809.28 192.95,1016.14 195.95,1019.14 195.95,1040.4 IC3.1
PB4: IC3.2 U1.40 | length 942.4
  Top Layer 1 w10: IC3.2 176.59,1025.24 174.95,1023.59 174.95,801.83 227.09,749.69 278.4,749.69 293.83,734.26 293.83,703.88 291.22,701.27 291.22,677.86 285.36,672 153.42,672 127.55,646.14 127.55,504.1 145.66,486 U1.40
PB5: LED2.2 U1.41 | length 631.9
  Top Layer 1 w10: LED2.2 117.05,816.76 102.29,802 47,802 22,777 22,650.13 27.86,644.28 103.7,644.28 109.55,638.42 109.55,484.4 127.66,466.3 U1.41
PB6: IC1.3 U1.42 | length 179
  Top Layer 1 w10: IC1.3 99.34,455 107.73,446.6 U1.42
PB7: IC1.2 U1.43 | length 172.8
  Top Layer 1 w10: IC1.2 61.93,396.15 104.58,396.15 135.43,427 U1.43
PB8: IC2.1 U1.45 | length 720.3
  Top Layer 1 w10: U1.45 179.79,387.6 170.14,377.95 125.86,377.95 120,372.09 120,224 109,213 41.86,213 36,207.14 36,83 60,59 276,59 IC2.1@277,58
PB9: IC2.2 U1.46 | length 575.3
  Top Layer 1 w10: U1.46 185.55,367.9 177.59,359.95 147.86,359.95 142,354.09 142,191.46 176.23,157.23 176.23,126.77 199,104 371.14,104 377,98.14 IC2.2@377,60
PB10: JP2.4 U1.21 | length 617.3
  Top Layer 1 w10: U1.21 623.18,486 669.03,531.85 888.15,531.85 978,442 JP2.4
PB11: JP2.3 U1.22 | length 590.1
  Top Layer 1 w10: U1.22 618.84,505.7 661.99,548.85 917.19,548.85 934.05,532 1041.59,532 JP2.3@1051.93,542.34
PWR_CT: R15.2 R22.2 U6.3 U8.1 | length 642.1
  Top Layer 1 w10: v1(932,574) 932,575 931,575 901,605 901,878.5 930.26,907.76 938.01,915.51 949.51,915.51 U8.1 ; U8.1@950.95,923.05 R22.2
  Bottom Layer 1 w10: U6.3 768.19,540.82 811.82,540.82 R15.2@813,542 ; R15.2 921.03,542.03 930.45,551.45 930.45,574.45 v1@932,576
SCL2: bme1.4 IC4.8 IC5.23 R18.1 U1.27 | length 2953.2
  Top Layer 1 w9: v1(745,500) 743.26,498.26 743.26,448.52 742,447.26 746.65,442.61 IC5.23
  Top Layer 1 w10: v1(382.88,710) 385.08,710 400.77,694.31 412.15,694.31 423.18,683.28 423.18,599.22 424.03,598.37 U1.27 ; bme1.4 393.05,973 409.14,973 415,967.14 415,912.19 417,910.19 v1(417,908)
  GND w9: 741,551 742,550 742,527.06 745,524.06 v1(745,500) 767.73,500 771.73,496 792,496 801,505 801,582 793,590 793,683.66 808.86,699.52
  GND w10: v1(382.88,710) 351,710 316.43,744.57 316.43,1024.43 333,1041 448,1041 467.45,1021.55 467.45,1013.26 445.19,991 422.86,991 417,985.14 v1@417,913 ; v1(417,908) 417,843.9 395,821.9 395,804 598,601 693,601 740.89,553.11 ; v1(540,234) 575,234 579,230 585,230 649,166 889.46,166 943,219.54 943,553.81 954.05,564.86 954.05,583.14 943,594.19 943,651.46 893.46,701 870.35,701 866.3,696.95 837.1,696.95 834.53,699.52 808.86,699.52
SCL3: R2.1 U1.20 U7.6 | length 356.5
  Top Layer 1 w10: U1.20 496.7,466.3 497,466 497.3,466.3 536.07,466.3 541.07,461.3 561.95,461.3 R2.1 563.95,459.95 v1(564,460)
  Bottom Layer 1 w10: U7.6 444.14,534.78 451.84,527.08 451.84,481.62 520.51,412.95 546.95,412.95 564,430 v1(564,460)
SDA2: bme1.3 IC4.7 IC5.24 R17.1 U1.26 | length 2472.6
  Top Layer 1 w9: R17.1@705,449 703.68,447.68 703.68,424.32 713.96,414.04 725.67,414.04 726.97,412.74 IC5.24
  Top Layer 1 w10: bme1.3 422.1,999.1 v1@437,1014 ; U1.26@443.73,565.47 443.73,585.08 443.29,585.51 443.29,604.22 445.23,606.16 v1(445.23,608.36) ; R17.1@706,455 704.58,455 703.68,455.9 703.68,477.54 712.74,486.6 v1(712.74,488.8)
  GND w10: v1(438,1015) 349,1015 341,1007 341,763.86 346.86,758 397,758 444.38,710.62 444.38,609.21 v1(445.23,608.36) ; v1@446,610 446.76,610.76 453.07,610.76 456.08,613.77 510.23,613.77 554,570 647.67,570 713.8,503.87 713.8,489.85 v1(712.74,488.8) ; v1(596,251) 620,227 620,223 654,189 887,189 920,222 920,554.81 909.95,564.86 909.95,583.14 920,593.19 920,649 891,678 867,678 825,636 825,517.78 820.95,513.72 820.95,494.86 825,490.81 825,459.47 784.53,419 717.86,419 712,424.86 v1@712,488.8
  Bottom Layer 1 w10: IC4.7 563.98,284 594,253.98 v1@594,251
SDA3: R1.1 U1.19 U7.5 | length 327.6
  Top Layer 1 w10: U1.19 523.65,446.6 534,436.25 v1(534,435) 536.19,435 544.36,426.84 561.37,426.84 564.25,423.97 R1.1
  Bottom Layer 1 w10: U7.5 430.82,584.78 447.48,568.12 460.8,568.12 469.84,559.08 469.84,490.16 483,477 503,477 531,449 531,440.19 532.45,438.75 v1@532.45,436.45
TC4054VCC: R9.1 R10.1 U5.4 | length 131.2
  Bottom Layer 1 w10: R10.1@554,714 554.18,713.82 R9.1 ; R10.1 558.65,720.6 628.4,720.6 U5.4@630,719
USART1_RX: U1.31 U3.26 | length 969.5
  Top Layer 1 w10: U1.31 345.13,572.79 345.13,598.51 342.22,601.43 342.22,680.14 344.83,682.75 344.83,742.18 361.64,759 451.68,759 466.19,744.5 466.19,644.05 473.8,636.43 511.02,636.43 564.6,582.85 755.7,582.85 825.39,652.55 v1(825.39,677.46) ; U3.26 834.94,730.7 846.64,719 v1(853,719)
  Bottom Layer 1 w10: v1(825.39,677.46) 853,705.07 v1(853,719)
USART1_TX: U1.30 U3.25 | length 963.3
  Top Layer 1 w10: U1.30 364.93,604.17 360.22,608.88 360.22,674.1 361.83,675.71 361.83,735.14 367.68,741 442.33,741 448.19,735.14 448.19,636.59 466.35,618.43 503.57,618.43 556.15,565.85 818.41,565.85 853,600.44 853,681.53 823.53,711 U3.25
USART2_RX: U1.13 U2.11 | length 562.7
  Top Layer 1 w10: U1.13 503.41,328.5 513.91,318 559.91,318 565.91,312 602.81,312 612.75,321.95 637.14,321.95 660.55,345.36 660.55,383.45 v1(659,385)
  Bottom Layer 1 w10: v1(659,385) 674,370 772.81,370 842.93,299.88 U2.11@842.93,186.93
USART2_TX: U1.12 U2.8 | length 320.6
  Top Layer 1 w10: U1.12 463.9,300.52 463.9,300 541.91,300 546.9,295 653,295 v1(654.32,296.32)
  Bottom Layer 1 w10: v1(654.32,296.32) 693,257.65 U2.8@693,186
USB_5V: C1.1 C2.1 C14.2 D1.2 R10.2 U3.7 U3.8 U9.A4 U9.A9 U9.B4 U9.B9 | length 947.5
  Top Layer 1 w10: U9.B4@583.54,896.64 580,893.1 v1(580,846) 580,820 591,809 ; U3.8 590.53,770.1 591,770.57 591,809 ; U3.7@628.36,809 591,809 ; v1(770,849) 771.26,850.26 771.26,887.74 U9.B9@771,888
  PWR w10: v1(580,846) 580,879.14 585.86,885 762,885 770,877 770,851 v1@769,850
  Bottom Layer 1 w10: D1.2 387.46,891.54 396,883 472.21,883 543,883 v1(580,846) ; R10.2@432,731 432,784.14 437.86,790 C2.1 ; 472.21,882 C1.1 472.21,794.79 C2.1@473,794 ; C14.2 579.32,831.68 579.32,844.32 v1@581,846
pads on no net: BUZZER1.3 IC4.4 IC5.2 IC5.3 IC5.4 IC5.5 IC5.6 IC5.7 IC5.14 IC5.15 IC5.16 IC5.17 IC5.19 IC5.21 IC5.22 IC5.25 SW1.0 SW2.0 U1.2 U1.38 U2.1 U2.3 U2.4 U2.7 U2.12 U3.1 U3.2 U3.9 U3.10 U3.11 U3.12 U3.13 U3.14 U3.15 U3.16 U3.17 U3.18 U3.19 U3.20 U3.21 U3.22 U3.23 U3.24 U3.27 U3.28 U4.4 U6.4 U8.4 U8.6 U9.17 U9.18 U9.19 U9.20 U9.A5 U9.A8 U9.B5 U9.B8

## Polygon pours and split planes (outlines as drawn)
GND on Top Layer 1 "NONET_L01_P002" (solid, shelved, pour order 2): 0,0 0,1181.1 1102.36,1181.1 1102.36,0
GND on GND "NONET_L02_P000" (solid, shelved, pour order 0): 0,0 0,1181.1 1102.36,1181.1 1102.36,0
GND on PWR "NONET_L03_P001" (solid, shelved, pour order 1): 0,0 0,1181.1 1102.36,1181.1 1102.36,0
GND on Bottom Layer 1 "NONET_L04_P003" (solid, shelved, pour order 3): 0,0 0,1181.1 1102.36,1181.1 1102.36,0

## Keep-outs
Keep-Out Layer:
  circle w10: c114.92,1049.16 r43.31
  circle w10: c114.92,131.84 r43.31
  circle w10: c1051.93,1049.16 r43.31
  lines w7.87: -0.07,0 -0.07,1180 1098.93,1180 1101.93,1177 1101.93,0 -0.07,0

## Silkscreen, mask and mechanical layers (free items; w line width, h text height)
Top Overlay:
  text "G" at 977,708 h26
  text "G" at 127.47,572.59 h40
Mechanical 1:
  circle w7.87: c1051.93,1049.16 r43.31
  circle w10: c114.92,131.84 r43.31
  circle w10: c114.92,1049.16 r43.31
  lines w7.87: 1100.93,1180 855.93,1180 855.93,950 500.93,950 500.93,1180 -0.07,1180 -0.07,0 1101.93,0 1101.93,1179

## Text inside footprints (layer, text, board x,y; h text height)
BT1: Bottom Overlay "+" at 966,839.34 h26
U2: Bottom Overlay "P03" at 727.93,230 h26 r270; Bottom Overlay "DIO" at 732.93,355 h26 r270; Bottom Overlay "P02" at 772.93,230 h26 r270; Bottom Overlay "CLK" at 785.8,355 h26 r270; Bottom Overlay "P01" at 827.93,230 h26 r270; Bottom Overlay "GND" at 832.93,355 h26 r270; Bottom Overlay "P00" at 877.93,235 h26 r270; Bottom Overlay "ANT" at 882.93,355 h26 r270; Bottom Overlay "BAT" at 632.93,355 h26 r270; Bottom Overlay "P04" at 632.93,230 h26 r270; Bottom Overlay "P05" at 682.93,230 h26 r270; Bottom Overlay "RST" at 682.93,355 h26 r270